# KiCad board 2000ATX.kicad_pcb (continued)
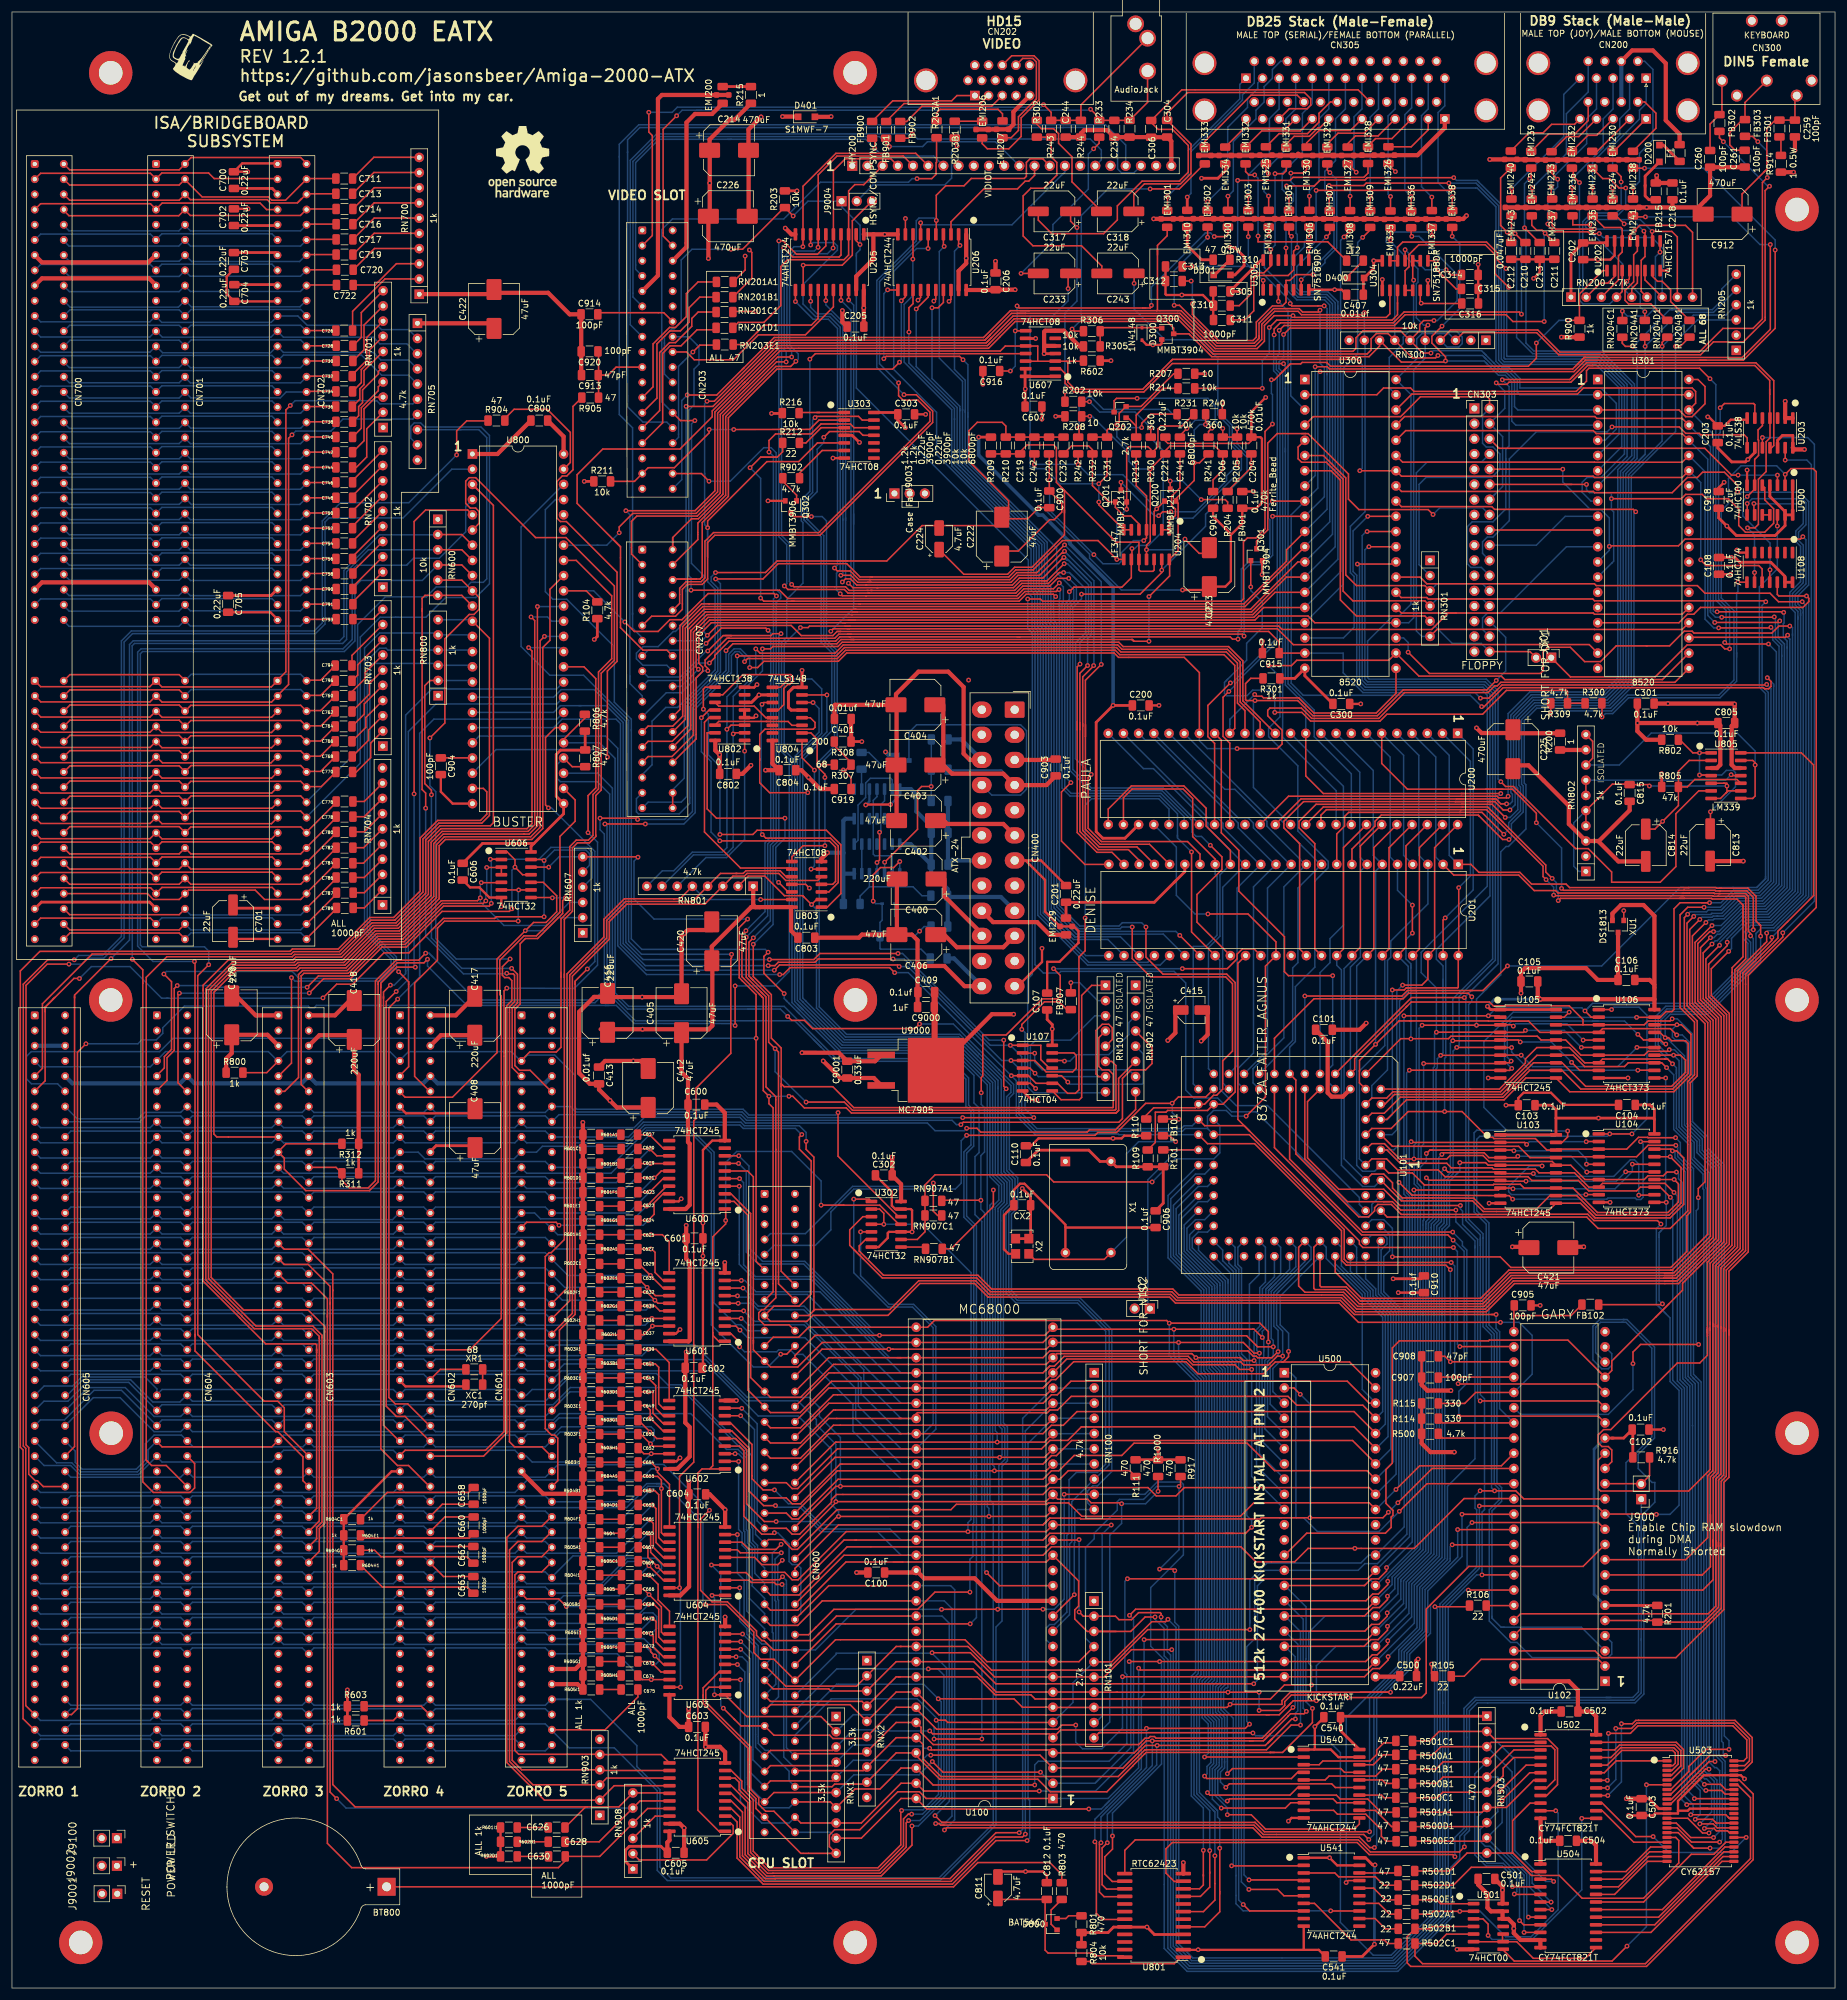
[diagram p0: board, top side]
## Nets (continued)
+5V: C100.1 C101.1 C102.1 C103.1 C104.1 C105.1 C106.1 C107.1 C108.2 C110.1 C202.2 C203.2 C218.1 C300.2 C301.1 C302.2 C303.1 C305.1 C400.1 C401.1 C402.1 C403.1 C404.1 C405.1 C415.1 C416.1 C417.1 C418.1 C419.1 C420.1 C421.1 C422.1 C500.1 C501.1 C502.1 C503.1 C504.1 C540.1 C541.1 C600.1 C601.1 C602.1 C603.1 C604.1 C605.2 C606.1 C607.2 C700.1 C701.1 C705.1 C800.1 C802.1 C803.1 C804.1 C805.1 C903.1 C906.1 C910.1 C918.1 CN203.6 CN203.8 CN400.4 CN400.6 CN400.21 CN400.22 CN400.23 CN600.5 CN600.6 CN601.5 CN601.6 CN602.5 CN602.6 CN603.5 CN603.6 CN604.5 CN604.6 CN605.5 CN605.6 CN700.B3 CN700.B29 CN700.D16 CN701.B3 CN701.B29 CN701.D16 CN702.B3 CN702.B29 CN702.D16 D301.2 EMI200.1 EMI229.1 FB215.1 Q302.2 R101.2 R104.1 R109.2 R111.1 R114.2 R115.2 R200.1 R201.1 R203.2 R211.1 R216.1 R301.1 R308.1 R311.1 R312.1 R500.1 R601.1 R602.1 R603.1 R800.1 R801.1 R802.2 R804.1 R805.1 R806.2 R807.2 R914.1 R916.2 R917.1 R1000.1 R9102.1 RN100.1 RN101.1 RN200.1 RN300.1 RN301.1 RN503.1 RN600.1 RN705.1 RN800.1 RN801.1 RN802.2 RN802.9 RN903.1 RN908.1 U100.14 U100.49 U101.15 U102.6 U102.17 U102.48 U103.1 U103.20 U104.20 U105.1 U105.20 U106.20 U107.14 U108.13 U108.14 U202.16 U203.9 U203.12 U203.14 U300.20 U301.20 U302.14 U303.4 U303.14 U305.14 U500.22 U500.32 U501.14 U502.24 U503.11 U504.24 U540.20 U541.20 U600.20 U601.20 U602.20 U603.20 U604.20 U605.20 U606.14 U607.1 U607.9 U607.13 U607.14 U800.25 U800.48 U801.4 U801.20 U802.6 U802.16 U803.14 U804.10 U804.16 U805.3 U900.1 U900.4 U900.13 U900.14 X1.14 XU1.2
+12V: C406.1 C407.1 C704.1 CN203.10 CN400.10 CN400.11 CN600.10 CN601.10 CN602.10 CN603.10 CN604.10 CN605.10 CN700.B9 CN701.B9 CN702.B9 D400.2 J9003.2 R207.1 U304.14
-5V: C412.2 C413.1 C702.1 C9001.1 CN203.31 CN600.8 CN601.8 CN602.8 CN603.8 CN604.8 CN605.8 CN700.B5 CN701.B5 CN702.B5 U9000.3
-12V: C408.1 C409.1 C703.1 C9000.1 CN400.14 CN601.20 CN602.20 CN603.20 CN604.20 CN605.20 CN700.B7 CN701.B7 CN702.B7 D401.1 R208.2 U304.1 U9000.2
/Paula/+5VMOUSE: CN200.7 CN200.16 F1.2
/Power/+5VSB: C9101.1 C9102.1 CN400.9 R9100.1 R9103.1 U9101.14 U9102.10 U9102.14
GND: BT800.2 C100.2 C101.2 C102.2 C103.2 C104.2 C105.2 C106.2 C107.2 C108.1 C110.2 C200.2 C201.2 C202.1 C203.1 C205.1 C206.1 C214.2 C218.2 C225.2 C226.2 C234.2 C244.2 C259.2 C260.2 C261.2 C300.1 C301.2 C302.1 C303.2 C304.2 C305.2 C306.2 C310.2 C311.2 C312.2 C313.2 C314.1 C315.1 C316.1 C400.2 C401.2 C402.2 C403.2 C404.2 C405.2 C406.2 C407.2 C408.2 C409.2 C412.1 C413.2 C415.2 C416.2 C417.2 C418.2 C419.2 C420.2 C421.2 C422.2 C500.2 C501.2 C502.2 C503.2 C504.2 C540.2 C541.2 C600.2 C601.2 C602.2 C603.2 C604.2 C605.1 C606.2 C607.1 C700.2 C701.2 C702.2 C703.2 C704.2 C705.2 C800.2 C802.2 C803.2 C804.2 C805.2 C811.2 C812.2 C813.2 C814.2 C815.2 C903.2 C904.2 C905.2 C906.2 C907.2 C908.2 C910.2 C912.2 C913.2 C914.1 C915.2 C916.2 C918.2 C919.2 C920.2 C9000.2 C9001.2 C9101.2 C9102.2 C9103.2 C9104.2 C9105.2 CN200.0 CN200.8 CN200.17 CN202.0 CN202.5 CN202.6 CN202.7 CN202.8 CN202.10 CN203.9 CN203.12 CN203.13 CN203.17 CN203.20 CN203.21 CN203.24 CN203.32 CN207.1 CN207.5 CN207.9 CN207.12 CN207.22 CN207.32 CN300.0 CN300.4 CN303.1 CN303.5 CN303.7 CN303.9 CN303.11 CN303.13 CN303.15 CN303.17 CN303.19 CN303.21 CN303.23 CN303.25 CN303.27 CN303.29 CN303.31 CN303.33 CN305.0 CN305.17 CN305.18 CN305.19 CN305.20 CN305.21 CN305.22 CN305.23 CN305.24 CN305.25 CN305.26 CN305.32 CN400.3 CN400.5 CN400.7 CN400.15 CN400.17 CN400.18 CN400.19 CN400.24 CN600.1 CN600.2 CN600.3 CN600.4 CN600.12 CN600.13 CN600.25 CN600.37 CN600.49 CN600.61 CN600.73 CN600.85 CN601.1 CN601.2 CN601.3 CN601.4 CN601.13 CN601.25 CN601.37 CN601.49 CN601.61 CN601.73 CN601.85 CN601.87 CN601.88 CN601.89 CN601.90 CN601.91 CN601.99 CN601.100 CN602.1 CN602.2 CN602.3 CN602.4 CN602.13 CN602.25 CN602.37 CN602.49 CN602.61 CN602.73 CN602.85 CN602.87 CN602.88 CN602.89 CN602.90 CN602.91 CN602.99 CN602.100 CN603.1 CN603.2 CN603.3 CN603.4 CN603.13 CN603.25 CN603.37 CN603.49 CN603.61 CN603.73 CN603.85 CN603.87 CN603.88 CN603.89 CN603.90 CN603.91 CN603.99 CN603.100 CN604.1 CN604.2 CN604.3 CN604.4 CN604.13 CN604.25 CN604.37 CN604.49 CN604.61 CN604.73 CN604.85 CN604.87 CN604.88 CN604.89 CN604.90 CN604.91 CN604.99 CN604.100 CN605.1 CN605.2 CN605.3 CN605.4 CN605.13 CN605.25 CN605.37 CN605.49 CN605.61 CN605.73 CN605.85 CN605.87 CN605.88 CN605.89 CN605.90 CN605.91 CN605.99 CN605.100 CN700.B1 CN700.B10 CN700.B31 CN700.D18 CN701.B1 CN701.B10 CN701.B31 CN701.D18 CN702.B1 CN702.B10 CN702.B31 CN702.D18 CX2.2 D300.2 EMI200.3 EMI206.3 EMI207.3 EMI229.3 EMI230.3 EMI231.3 EMI232.3 EMI233.3 EMI234.3 EMI235.3 EMI236.3 EMI237.3 EMI238.3 EMI239.3 EMI240.3 EMI241.3 EMI242.3 EMI243.3 EMI300.3 EMI301.3 EMI302.3 EMI303.3 EMI304.3 EMI305.3 EMI306.3 EMI307.3 EMI308.3 EMI309.3 EMI310.3 EMI325.3 EMI326.3 EMI327.3 EMI328.3 EMI329.3 EMI330.3 EMI331.3 EMI332.3 EMI333.3 EMI334.3 EMI335.3 EMI336.3 EMI337.3 EMI338.3 FB401.1 H1.1 H2.1 H3.1 H4.1 H5.1 H6.1 H7.1 H9.1 H10.1 H11.1 H12.1 HY200.1 HY200.22 J102.2 J9001.2 J9002.2 J9003.1 J9100.2 Q300.2 Q301.2 Q9100.2 R110.1 R234.1 R244.1 R305.2 R601A1.1 R601B1.1 R601C1.1 R601D1.1 R601E1.1 R601F1.1 R601G1.1 R601H1.1 R601I1.1 R602A1.1 R602B1.1 R602C1.1 R602D1.1 R602E1.1 R602F1.1 R602G1.1 R602H1.1 R602I1.1 R603A1.1 R603B1.1 R603C1.1 R603D1.1 R603E1.1 R603F1.1 R603G1.1 R603H1.1 R603I1.1 R604.1 R604A1.1 R604B1.1 R604C1.1 R604D1.1 R604E1.1 R604F1.1 R604G1.1 R604H1.1 R604I1.1 R605.1 R605A1.1 R605B1.1 R605C1.1 R605D1.1 R605E1.1 R605F1.1 R605G1.1 R605H1.1 R605I1.1 R900.1 R9105.2 RN205.1 RN607.1 RN700.1 RN701.1 RN702.1 RN703.1 RN704.1 RN802.3 RNX1.1 RNX2.1 U100.16 U100.53 U101.42 U101.58 U101.82 U102.1 U102.24 U102.40 U103.10 U104.10 U105.10 U106.10 U107.7 U108.7 U200.8 U201.37 U202.8 U202.15 U203.1 U203.2 U203.7 U205.1 U205.10 U205.19 U206.1 U206.10 U206.19 U300.1 U301.1 U302.7 U302.10 U302.13 U303.7 U304.7 U305.7 U500.11 U500.12 U500.31 U501.7 U501.12 U501.13 U502.1 U502.12 U503.12 U503.34 U503.41 U504.1 U504.11 U504.12 U540.1 U540.10 U540.19 U541.1 U541.10 U541.19 U600.10 U600.19 U601.10 U601.19 U602.10 U602.19 U603.10 U604.10 U605.10 U605.19 U606.7 U607.4 U607.5 U607.7 U800.1 U800.24 U800.43 U801.2 U801.12 U802.4 U802.5 U802.8 U803.7 U804.5 U804.8 U805.12 U900.7 U9000.1 U9101.7 U9102.7 X1.7 X2.2 XC1.2 XU1.3
V7M: CN600.7 RN907C1.1
7M: RN907A1.1 U100.15 U201.35
28M: CN600.9 FB101.2 U101.34
+AUD: C200.1 C225.1 R200.2 R209.1 U200.27
+AV: C220.1 C222.1 C900.1 Q202.2 R207.2 R213.1 U204.4
+VID: C205.2 C206.2 C214.1 C226.1 HY200.2 HY200.21 R215.1 U205.20 U206.20
-AV: C221.2 C223.2 C901.2 R206.2 R208.1 U204.11
/Floppy and Parallel/_CHNG: CN303.2 RN301.2 U300.4
/Floppy and Parallel/_DKWDB: CN303.22 U203.8
/Floppy and Parallel/_DKWEB: CN303.24 U203.11
/Floppy and Parallel/_INUSE0: CN303.6 U900.3
/Floppy and Parallel/_INUSE1: CN303.4 CN303.14 U108.9 U203.4
/Floppy and Parallel/_IORST: C916.1 EMI300.2 U607.8
/Floppy and Parallel/_KBDATA: C261.1 CN300.2 FB303.1
/Floppy and Parallel/_MTROD: CN303.16 Q301.3
/Floppy and Parallel/_RDY: CN303.34 J301.2 RN301.5 U300.7
/Floppy and Parallel/_TRK0: CN303.26 RN301.3 U300.6
/Floppy and Parallel/_WPROT: CN303.28 RN301.4 U300.5
/Memory and Kickstart/_DRAS1: U502.14 U503.18
/Memory and Kickstart/_MCASL: R502C1.1 U501.5 U503.39
/Memory and Kickstart/_MCASU: R502B1.1 U501.4 U503.40
/Memory and Kickstart/_MRAS0: R500E1.1 U501.1
/Memory and Kickstart/_MRAS1: R502A1.1 U501.2 U502.11
/Memory and Kickstart/_MWE: R502D1.1 U503.17
/Memory and Kickstart/_SRAMCE: U501.8 U503.6
/Memory and Kickstart/CAS: U501.6 U501.9 U501.10 U504.13
/Memory and Kickstart/DRAB0: R500A1.1 RN503.3 U502.2 U504.6
/Memory and Kickstart/DRAB1: R500B1.1 RN503.5 U502.3 U504.7
/Memory and Kickstart/DRAB2: R500C1.1 RN503.6 U502.4 U504.8
/Memory and Kickstart/DRAB3: R500D1.1 RN503.8 U502.5 U504.9
/Memory and Kickstart/DRAB4: R500E2.1 RN503.9 U502.6 U504.10
/Memory and Kickstart/DRAB5: R501A1.1 RN503.7 U502.7 U504.5
/Memory and Kickstart/DRAB6: R501B1.1 RN503.4 U502.8 U504.4
/Memory and Kickstart/DRAB7: R501C1.1 RN503.2 U502.9 U504.3
/Memory and Kickstart/DRAB8: R501D1.1 RN503.10 U502.10 U504.2
/Memory and Kickstart/DRAC0: U502.23 U503.5
/Memory and Kickstart/DRAC1: U502.22 U503.4
/Memory and Kickstart/DRAC2: U502.21 U503.3
/Memory and Kickstart/DRAC3: U502.20 U503.2
/Memory and Kickstart/DRAC4: U502.19 U503.1
/Memory and Kickstart/DRAC5: U502.18 U503.44
/Memory and Kickstart/DRAC6: U502.17 U503.43
/Memory and Kickstart/DRAC7: U502.16 U503.42
/Memory and Kickstart/DRAC8: U502.15 U503.28
/Memory and Kickstart/DRAD0: U503.27 U504.19
/Memory and Kickstart/DRAD1: U503.26 U504.18
/Memory and Kickstart/DRAD2: U503.25 U504.17
/Memory and Kickstart/DRAD3: U503.24 U504.16
/Memory and Kickstart/DRAD4: U503.23 U504.15
/Memory and Kickstart/DRAD5: U503.22 U504.20
/Memory and Kickstart/DRAD6: U503.21 U504.21
/Memory and Kickstart/DRAD7: U503.20 U504.22
/Memory and Kickstart/DRAD8: U503.19 U504.23
/Memory and Kickstart/RAS: U501.3 U502.13
/Paula/FIR0: CN200.6 EMI241.1
/Power/_PS-ON: CN400.16 Q9100.3
/Serial/CD: U301.7 U305.11
/Serial/CTS: U301.6 U305.6
/Serial/DSR: U301.5 U305.8
/Serial/DTR: U301.9 U304.12 U304.13
/Serial/RESET: C814.1 J9001.1 R805.2 U805.2 U805.10 XU1.1
/Serial/RTS: U301.8 U304.4 U304.5
/Video/_COMPSYNC: C914.2 CN203.14 HY200.18 J9004.3 U205.12
/Video/BLUE: CN203.15 FB902.2 HY200.17
/Video/BURST: CN203.18 U205.16
/Video/COMPVID: CN207.13 HY200.19
/Video/GREEN: CN203.11 FB901.2 HY200.12
/Video/PIXELSW: CN203.30 RN203E1.1
/Video/RED: CN203.7 FB900.2 HY200.7
/Video/SYNC: CN203.28 HY200.20
/Zorro_Expansion/_CFGIN2: CN604.12 U606.1 U606.11
/Zorro_Expansion/_CFGIN3: CN603.12 U606.3 U606.4
/Zorro_Expansion/_CFGIN4: CN602.12 U606.6 U606.9
/Zorro_Expansion/_CFGIN5: CN601.12 U606.8
/Zorro_Expansion/_CFGOUT1: CN605.11 RN607.5 U606.13
/Zorro_Expansion/_CFGOUT2: CN604.11 RN607.4 U606.2
/Zorro_Expansion/_CFGOUT3: CN603.11 RN607.3 U606.5
/Zorro_Expansion/_CFGOUT4: CN602.11 RN607.2 U606.10
_AS: CN600.74 RN101.5 U100.6 U101.24 U102.13 U605.9
_BAS: C663.2 CN601.74 CN602.74 CN603.74 CN604.74 CN605.74 RN903.5 U605.11 U800.36
_BEER: CN600.46 CN601.46 CN602.46 CN603.46 CN604.46 CN605.46 R111.2 U100.22 U800.26
_BG: U100.11 U800.17
_BGACK: CN600.62 CN601.62 CN602.62 CN603.62 CN604.62 CN605.62 J900.1 RN100.9 U303.13
_BHS: U205.18 U301.19
_BLDS: C660.2 CN601.70 CN602.70 CN603.70 CN604.70 CN605.70 RN903.3 U605.13 U800.37
_BOSS: CN600.20 R104.2 U303.12 U800.39
_BR: RN100.10 U100.13 U800.27
_BRST: R602.2 U108.10 U300.34 U301.34 U607.3 U607.10 U607.12 U800.42
_BUDS: C662.2 CN601.72 CN602.72 CN603.72 CN604.72 CN605.72 RN903.4 U605.12 U800.38
_BUSRST: CN601.94 CN602.94 CN603.94 CN604.94 CN605.94 R603.2 U607.11
_C2: C904.1 U800.21
_C4: C913.1 C920.1 CN203.19 R905.1
_CASL: U101.54 U541.13
_CASU: U101.55 U541.8
_CBG: CN600.64 R806.1 U800.29
_CBR: CN600.60 R807.1 U800.28
_CDAC: U101.37 U102.26 U107.1 U107.11 U201.34 U800.18
_CIPL0: RN801.6 U200.13 U802.1
_CIPL1: RN801.7 U200.14 U802.2
_CIPL2: RN801.8 U200.15 U802.3
_CLKRD: U102.22 U801.11
_CLKWR: U102.23 U801.13
_COPCFG: CN600.11 CN605.12 RN607.6 U606.12
_CSYNC: U101.80 U201.32 U205.8
_CUTOFF: R214.1 U304.3
_D2P: RNX1.2 U603.1 U604.1 U800.45
_DBOE: U603.19 U604.19 U800.46
_DKRD: CN303.30 R301.2 U200.37
_DKWD: U102.9 U200.38
_DTACK: CN600.66 CN601.66 CN602.66 CN603.66 CN604.66 CN605.66 R106.1 R917.2 RN101.4 U100.10
_EBG1: CN605.64 U800.2
_EBG2: CN604.64 U800.3
_EBG3: CN603.64 U800.4
_EBG4: CN602.64 U800.5
_EBG5: CN601.64 U800.6
_EBR1: CN605.60 RN600.2 U800.7
_EBR2: CN604.60 RN600.3 U800.8
_EBR3: CN603.60 RN600.4 U800.9
_EBR4: CN602.60 RN600.5 U800.10
_EBR5: CN601.60 RN600.6 U800.11
_EC1: CN601.16 CN602.16 CN603.16 CN604.16 CN605.16 RN902.4
_EC3: CN601.14 CN602.14 CN603.14 CN604.14 CN605.14 FB907.1
_EINT1: C675.2 CN601.96 CN602.96 CN603.96 CN604.96 CN605.96 RN801.2 U803.2
_EINT4: CN601.44 CN602.44 CN603.44 CN604.44 CN605.44 RN801.3 U803.5
_EINT5: CN601.42 CN602.42 CN603.42 CN604.42 CN605.42 RN801.4 U803.10
_EINT7: CN601.40 CN602.40 CN603.40 CN604.40 CN605.40 RN801.5 U803.13
_EXRAM: R500.2 U102.32
_FIR0: EMI241.2 U300.8
_FIR1: CN207.19 EMI238.2 U101.78 U300.9
_GBG: CN601.95 CN602.95 CN603.95 CN604.95 CN605.95 U800.23
_HLT: CN600.55 CN601.55 CN602.55 CN603.55 CN604.55 CN605.55 RN101.3 U100.17 U102.42
_HSYNC: CN203.22 J9004.1 R203.1 U101.81 U205.2
_INDEX: CN303.8 RN301.6 U301.24
_INT2: CN600.19 CN601.19 CN602.19 CN603.19 CN604.19 CN605.19 R312.2 U200.16 U300.21
_INT3: U101.17 U200.17
_INT6: CN600.22 CN601.22 CN602.22 CN603.22 CN604.22 CN605.22 R311.2 U200.18 U301.21
_IPL0: CN600.40 RN100.5 U100.25 U804.9
_IPL1: CN600.42 RN100.6 U100.24 U804.7
_IPL2: CN600.44 RN100.7 U100.23 U804.6
_KBCLK: FB302.2 RN300.3 U300.40 U805.6
_KBRST: R201.2 U102.5 U805.14
_LATCH: FB102.1 U104.11 U106.11
_LDS: CN600.70 RN101.7 U100.8 U101.52 U102.10 U605.7
_LED: CN207.31 U300.3 U303.5 U304.2
_MC1: R900.2 RN102.8 U202.1
_MTR: U102.7 U108.12 U301.17
_OEB: U102.4 U103.19 U105.19
_OEL: U102.3 U104.1 U106.1
_OVR: CN600.17 CN601.17 CN602.17 CN603.17 CN604.17 CN605.17 R115.1 U102.29 U800.40
_OWN: CN601.7 CN602.7 CN603.7 CN604.7 CN605.7 R800.2 U302.12 U800.41
_PACK: CN207.20 EMI335.1 RN300.5 U300.24
_RAS0: U101.57 U541.4
_RAS1: U101.56 U541.6
_ROMEN: U102.21 U500.13 U900.9
_RST: CN600.53 CN601.53 CN602.53 CN603.53 CN604.53 CN605.53 RN101.2 U100.18 U101.16 U102.41 U200.11 U607.2
_RxD: U200.41 U305.3
_SEL0: CN303.10 U102.16 U301.13
_SEL1: CN303.12 U301.14 U900.5
_SIDE: CN303.32 U301.12
_SLAVE1: CN605.9 RN800.6 U800.12
_SLAVE2: CN604.9 RN800.5 U800.13
_SLAVE3: CN603.9 RN800.4 U800.14
_SLAVE4: CN602.9 RN800.3 U800.15
_SLAVE5: CN601.9 RN800.2 U800.16
_STEP: CN303.20 U301.10
_TxD: U200.40 U304.9 U304.10
_UDS: CN600.72 RN101.8 U100.7 U101.53 U102.11 U605.8
_VC1: CN203.34 CN600.16 RN102.6
_VC3: CN207.17 CN600.14 RN102.4
_VMA: CN600.51 CN601.51 CN602.51 CN603.51 CN604.51 CN605.51 RN101.9 U100.19 U302.2 U302.4
_VPA: CN600.48 CN601.48 CN602.48 CN603.48 CN604.48 CN605.48 R105.1 R1000.2 RN101.10 U100.21
_VSYNC: C915.1 CN203.26 CN207.14 R203A1.2 U101.79 U300.19
_WE: U101.21 U541.17
_XCLKEN: CN203.16 R109.1 U101.36
A1: CN600.29 U100.29 U101.60 U500.10 U600.2
A2: CN600.27 U100.30 U101.61 U500.9 U600.3 U801.5
A3: CN600.26 U100.31 U101.62 U500.8 U600.5 U801.7
A4: CN600.24 U100.32 U101.63 U500.7 U600.7 U801.9
A5: CN600.21 U100.33 U101.64 U500.6 U600.8 U801.10
A6: CN600.23 U100.34 U101.65 U500.5 U600.6
A7: CN600.28 U100.35 U101.66 U500.4 U600.4
A8: CN600.30 U100.36 U101.67 U300.38 U301.38 U500.3 U601.9
A9: CN600.32 U100.37 U101.68 U300.37 U301.37 U500.41 U601.8
A10: CN600.34 U100.38 U101.69 U300.36 U301.36 U500.40 U601.7
A11: CN600.36 U100.39 U101.70 U300.35 U301.35 U500.39 U601.6
A12: CN600.38 U100.40 U101.71 U302.1 U500.38 U601.5
A13: CN600.39 U100.41 U101.72 U302.5 U500.37 U601.4
A14: CN600.41 U100.42 U101.73 U500.36 U601.3
A15: CN600.43 U100.43 U101.74 U500.35 U601.2
A16: CN600.45 U100.44 U101.75 U500.34 U602.9
A17: CN600.47 U100.45 U101.76 U102.33 U500.33 U602.8
A18: CN600.52 U100.46 U101.77 U102.34 U500.2 U602.7
A19: CN600.54 U100.47 U101.59 U102.35 U500.1 U602.6
A20: CN600.56 U100.48 U102.36 U500.42 U602.5
A21: CN600.58 U100.50 U102.37 U602.4
A22: CN600.57 U100.51 U102.38 U602.3
A23: CN600.59 U100.52 U102.39 U602.2
AUDIN: C317.1 R202.1
AUDIO: C204.2 C210.2 C211.2 C212.2 C213.2 C219.2 C220.2 C221.1 C222.2 C223.1 C224.2 C232.2 C242.2 C900.2 C901.1 CN205.S CN207.34 CN207.36 FB401.2 R210.2 U200.34
AUDOUT: C243.2 R243.2 R302.1
B0: HY200.16 RN201A1.1 U206.9
B1: CN207.10 HY200.15 U206.7
B2: CN207.11 HY200.14 U206.5
B3: HY200.13 RN201B1.1 U206.3
BA1: C624.2 CN601.29 CN602.29 CN603.29 CN604.29 CN605.29 U600.18
BA2: C622.2 CN601.27 CN602.27 CN603.27 CN604.27 CN605.27 U600.17
BA3: C621.2 CN601.26 CN602.26 CN603.26 CN604.26 CN605.26 U600.15
BA4: C620.2 CN601.24 CN602.24 CN603.24 CN604.24 CN605.24 U600.13
BA5: C617.2 CN601.21 CN602.21 CN603.21 CN604.21 CN605.21 U600.12
BA6: C619.2 CN601.23 CN602.23 CN603.23 CN604.23 CN605.23 U600.14
BA7: C623.2 CN601.28 CN602.28 CN603.28 CN604.28 CN605.28 U600.16
BA8: C625.2 CN601.30 CN602.30 CN603.30 CN604.30 CN605.30 U601.11
BA9: C627.2 CN601.32 CN602.32 CN603.32 CN604.32 CN605.32 U601.12
BA10: C629.2 CN601.34 CN602.34 CN603.34 CN604.34 CN605.34 U601.13
BA11: C631.2 CN601.36 CN602.36 CN603.36 CN604.36 CN605.36 U601.14
BA12: C632.2 CN601.38 CN602.38 CN603.38 CN604.38 CN605.38 U601.15
BA13: C633.2 CN601.39 CN602.39 CN603.39 CN604.39 CN605.39 U601.16
BA14: C635.2 CN601.41 CN602.41 CN603.41 CN604.41 CN605.41 U601.17
BA15: C637.2 CN601.43 CN602.43 CN603.43 CN604.43 CN605.43 U601.18
BA16: C639.2 CN601.45 CN602.45 CN603.45 CN604.45 CN605.45 U602.11
BA17: C641.2 CN601.47 CN602.47 CN603.47 CN604.47 CN605.47 U602.12
BA18: C645.2 CN601.52 CN602.52 CN603.52 CN604.52 CN605.52 U602.13
BA19: C647.2 CN601.54 CN602.54 CN603.54 CN604.54 CN605.54 U602.14 U800.30
BA20: C649.2 CN601.56 CN602.56 CN603.56 CN604.56 CN605.56 U602.15 U800.31
BA21: C651.2 CN601.58 CN602.58 CN603.58 CN604.58 CN605.58 U602.16 U800.32
BA22: C650.2 CN601.57 CN602.57 CN603.57 CN604.57 CN605.57 U602.17 U800.33
BA23: C652.2 CN601.59 CN602.59 CN603.59 CN604.59 CN605.59 U602.18 U800.34
BD0: C664.2 CN601.75 CN602.75 CN603.75 CN604.75 CN605.75 U603.11
BD1: C666.2 CN601.77 CN602.77 CN603.77 CN604.77 CN605.77 U603.12
BD2: C668.2 CN601.79 CN602.79 CN603.79 CN604.79 CN605.79 U603.13
BD3: C670.2 CN601.81 CN602.81 CN603.81 CN604.81 CN605.81 U603.14
BD4: C672.2 CN601.83 CN602.83 CN603.83 CN604.83 CN605.83 U603.16
BD5: C674.2 CN601.86 CN602.86 CN603.86 CN604.86 CN605.86 U603.18
BD6: C673.2 CN601.84 CN602.84 CN603.84 CN604.84 CN605.84 U603.17
BD7: C671.2 CN601.82 CN602.82 CN603.82 CN604.82 CN605.82 U603.15
BD8: C669.2 CN601.80 CN602.80 CN603.80 CN604.80 CN605.80 U604.18
BD9: C667.2 CN601.78 CN602.78 CN603.78 CN604.78 CN605.78 U604.17
BD10: C665.2 CN601.76 CN602.76 CN603.76 CN604.76 CN605.76 U604.16
BD11: C661.2 CN601.71 CN602.71 CN603.71 CN604.71 CN605.71 U604.15
BD12: C659.2 CN601.69 CN602.69 CN603.69 CN604.69 CN605.69 U604.14
BD13: C657.2 CN601.67 CN602.67 CN603.67 CN604.67 CN605.67 U604.13
BD14: C655.2 CN601.65 CN602.65 CN603.65 CN604.65 CN605.65 U604.12
BD15: C654.2 CN601.63 CN602.63 CN603.63 CN604.63 CN605.63 U604.11
BFC0: C626.2 CN601.31 CN602.31 CN603.31 CN604.31 CN605.31 RN908.6 U605.15
BFC1: C628.2 CN601.33 CN602.33 CN603.33 CN604.33 CN605.33 RN908.5 U605.16
BFC2: C630.2 CN601.35 CN602.35 CN603.35 CN604.35 CN605.35 RN908.4 U605.17
C1: C907.1 U101.40 U102.28 U107.3 U107.13 U200.28 U201.36 U800.19
C3: C908.1 U101.39 U102.27 U107.5 U107.9 U200.29 U800.20
D0: CN600.75 RNX1.3 U100.5 U105.2 U106.2 U300.33 U500.14 U603.9 U801.19
D1: CN600.77 RNX1.4 U100.4 U105.3 U106.5 U300.32 U500.16 U603.8 U801.16
D2: CN600.79 RNX1.5 U100.3 U105.4 U106.6 U300.31 U500.18 U603.7 U801.15
D3: CN600.81 RNX1.6 U100.2 U105.5 U106.9 U300.30 U500.20 U603.6 U801.14
D4: CN600.83 RNX1.10 U100.1 U105.6 U106.12 U300.29 U500.23 U603.4
D5: CN600.86 RNX1.9 U100.64 U105.7 U106.15 U300.28 U500.25 U603.2
D6: CN600.84 RNX1.8 U100.63 U105.8 U106.16 U300.27 U500.27 U603.3
D7: CN600.82 RNX1.7 U100.62 U105.9 U106.19 U300.26 U500.29 U603.5
D8: CN600.80 RNX2.9 U100.61 U103.2 U104.2 U301.33 U500.15 U604.2
D9: CN600.78 RNX2.8 U100.60 U103.3 U104.5 U301.32 U500.17 U604.3
D10: CN600.76 RNX2.7 U100.59 U103.4 U104.6 U301.31 U500.19 U604.4
D11: CN600.71 RNX2.6 U100.58 U103.5 U104.9 U301.30 U500.21 U604.5
D12: CN600.69 RNX2.5 U100.57 U103.6 U104.12 U301.29 U500.24 U604.6
D13: CN600.67 RNX2.4 U100.56 U103.7 U104.15 U301.28 U500.26 U604.7
D14: CN600.65 RNX2.3 U100.55 U103.8 U104.16 U301.27 U500.28 U604.8
D15: CN600.63 RNX2.2 U100.54 U103.9 U104.19 U301.26 U500.30 U604.9
DIR: CN303.18 U301.11
DKWE: U102.8 U200.39
DMAL: U101.18 U200.12
DMAOUT: U302.11 U600.1 U601.1 U602.1 U605.1
DOE: CN601.93 CN602.93 CN603.93 CN604.93 CN605.93 R601.2 R904.1
DRA0: U101.43 U540.2
DRA1: U101.44 U540.4
DRA2: U101.45 U540.6
DRA3: U101.46 U540.8
DRA4: U101.47 U540.11
DRA5: U101.48 U540.13
DRA6: U101.49 U540.15
DRA7: U101.50 U540.17
DRA8: U101.51 U541.2
DRD0: U101.14 U105.18 U106.3 U200.10 U201.7 U503.7
DRD1: U101.13 U105.17 U106.4 U200.9 U201.6 U503.8
DRD2: U101.12 U105.16 U106.7 U200.7 U201.5 U503.9
DRD3: U101.11 U105.15 U106.8 U200.6 U201.4 U503.10
DRD4: U101.10 U105.14 U106.13 U200.5 U201.3 U503.13
DRD5: U101.9 U105.13 U106.14 U200.4 U201.2 U503.14
DRD6: U101.8 U105.12 U106.17 U200.3 U201.1 U503.15
DRD7: U101.7 U105.11 U106.18 U200.2 U201.48 U503.16
DRD8: U101.6 U103.18 U104.3 U200.1 U201.47 U503.29
DRD9: U101.5 U103.17 U104.4 U200.48 U201.46 U503.30
DRD10: U101.4 U103.16 U104.7 U200.47 U201.45 U503.31
DRD11: U101.3 U103.15 U104.8 U200.46 U201.44 U503.32
DRD12: U101.2 U103.14 U104.13 U200.45 U201.43 U503.35
DRD13: U101.1 U103.13 U104.14 U200.44 U201.42 U503.36
DRD14: U101.84 U103.12 U104.17 U200.43 U201.41 U503.37
DRD15: U101.83 U103.11 U104.18 U200.42 U201.40 U503.38
E: CN600.50 CN601.50 CN602.50 CN603.50 CN604.50 CN605.50 U100.20 U300.25 U301.25 XR1.1
E7M: CN601.92 CN602.92 CN603.92 CN604.92 CN605.92 RN907B1.1
ECDAC: CN601.15 CN602.15 CN603.15 CN604.15 CN605.15 RN902.8
FC0: CN600.31 RN100.2 U100.28 U605.5
FC1: CN600.33 RN100.3 U100.27 U605.4
FC2: CN600.35 RN100.4 U100.26 U605.3
FLTLEFT: C244.1 CN203.3 CN205.T R243.1 R244.2
FLTRIGHT: C234.1 CN203.4 CN205.R R233.1 R234.2
G0: CN207.6 HY200.11 U206.12
G1: CN207.7 HY200.10 U206.14
G2: CN207.8 HY200.9 U206.16
G3: HY200.8 RN201C1.1 U206.18
M0H: RN204D1.2 RN205.4 U201.9
M0V: RN204C1.2 RN205.6 U201.38
M1H: RN204B1.2 RN205.3 U201.8
M1V: RN204A1.2 RN205.5 U201.39
OVL: U102.30 U300.2
PBUSY: CN207.18 EMI336.1 RN300.6 U301.2 U301.39
PPD0: CN207.23 EMI302.1 U300.10
PPD1: CN207.24 EMI303.1 U300.11
PPD2: CN207.25 EMI304.1 U300.12
PPD3: CN207.26 EMI305.1 U300.13
PPD4: CN207.27 EMI306.1 U300.14
PPD5: CN207.28 EMI307.1 U300.15
PPD6: CN207.29 EMI308.1 U300.16
PPD7: CN207.30 EMI309.1 U300.17
PPOUT: CN207.16 EMI337.1 RN300.7 U301.3 U301.40
PSEL: CN207.21 EMI338.1 Q300.3 RN300.8 U301.4
PSTROBE: CN203.36 EMI301.1 RN300.9 U300.18
R0: CN207.2 HY200.6 U205.9
R1: CN207.3 HY200.5 U205.7
R2: CN207.4 HY200.4 U205.5
R3: HY200.3 RN201D1.1 U205.3
R_W: CN600.68 RN101.6 U100.9 U101.22 U102.12 U300.22 U301.22 U605.6
RAWLEFT: CN207.33 Q200.2 R240.1 R241.2 U204.14
RAWRIGHT: CN207.35 Q201.2 R230.1 R231.2 U204.8
READ: C658.2 CN601.68 CN602.68 CN603.68 CN604.68 CN605.68 RN903.2 U605.14 U800.35
RGA1: U101.33 U200.26 U201.17
RGA2: U101.32 U200.25 U201.16
RGA3: U101.31 U200.24 U201.15
RGA4: U101.30 U200.23 U201.14
RGA5: U101.29 U200.22 U201.13
RGA6: U101.28 U200.21 U201.12
RGA7: U101.27 U200.20 U201.11
RGA8: U101.26 U200.19 U201.10
VCDAC: CN207.15 CN600.15 RN902.6
Vref: C219.1 C224.1 R209.2 R210.1 U204.10 U204.12
XCLK: R110.2 R212.1 U101.35
XRDY: CN600.18 CN601.18 CN602.18 CN603.18 CN604.18 CN605.18 R114.1 U102.31
Net-(BT800-Pad1): BT800.1 R803.1
Net-(C201-Pad1): C201.1 EMI229.2 U201.19
Net-(C204-Pad1): C204.1 Q202.3 R204.1 R205.1 R206.1
Net-(C210-Pad1): C210.1 EMI243.1 U200.32
Net-(C211-Pad1): C211.1 EMI242.1 U200.33
Net-(C212-Pad1): C212.1 EMI240.2 U200.35
Net-(C213-Pad1): C213.1 EMI239.2 U200.36
Net-(C231-Pad1): C231.1 C233.1 U204.6 U204.7
Net-(C231-Pad2): C231.2 R231.1 R232.2
Net-(C232-Pad1): C232.1 Q201.1 R232.1 U204.5
Net-(C233-Pad2): C233.2 R233.2
Net-(C241-Pad1): C241.1 C243.1 U204.1 U204.2
Net-(C241-Pad2): C241.2 R241.1 R242.2
Net-(C242-Pad1): C242.1 Q200.1 R242.1 U204.3
Net-(C259-Pad1): C259.1 C912.1 CN300.5 FB301.1
Net-(C260-Pad1): C260.1 CN300.1 FB302.1
Net-(C304-Pad1): C304.1 C318.1 CN305.36
Net-(C306-Pad1): C306.1 C317.2 CN305.43
Net-(C310-Pad1): C310.1 EMI331.1 U305.13
Net-(C311-Pad1): C311.1 EMI330.1 U305.10
Net-(C312-Pad1): C312.1 EMI329.1 U305.4
Net-(C313-Pad1): C313.1 EMI328.1 U305.1
Net-(C314-Pad2): C314.2 EMI325.1 U304.11
Net-(C315-Pad2): C315.2 EMI326.1 U304.8
Net-(C316-Pad2): C316.2 EMI327.1 U304.6
Net-(C318-Pad2): C318.2 R302.2
Net-(C617-Pad1): C617.1 R601A1.2
Net-(C619-Pad1): C619.1 R601B1.2
Net-(C620-Pad1): C620.1 R601C1.2
Net-(C621-Pad1): C621.1 R601D1.2
Net-(C622-Pad1): C622.1 R601E1.2
Net-(C623-Pad1): C623.1 R601F1.2
Net-(C624-Pad1): C624.1 R601G1.2
Net-(C625-Pad1): C625.1 R601H1.2
Net-(C626-Pad1): C626.1 R601I1.2
Net-(C627-Pad1): C627.1 R602A1.2
Net-(C628-Pad1): C628.1 R602B1.2
Net-(C629-Pad1): C629.1 R602C1.2
Net-(C630-Pad1): C630.1 R602D1.2
Net-(C631-Pad1): C631.1 R602E1.2
Net-(C632-Pad1): C632.1 R602F1.2
Net-(C633-Pad1): C633.1 R602G1.2
Net-(C635-Pad1): C635.1 R602H1.2
Net-(C637-Pad1): C637.1 R602I1.2
Net-(C639-Pad1): C639.1 R603A1.2
Net-(C641-Pad1): C641.1 R603B1.2
Net-(C645-Pad1): C645.1 R603C1.2
Net-(C647-Pad1): C647.1 R603D1.2
Net-(C649-Pad1): C649.1 R603E1.2
Net-(C650-Pad1): C650.1 R603F1.2
Net-(C651-Pad1): C651.1 R603G1.2
Net-(C652-Pad1): C652.1 R603H1.2
Net-(C654-Pad1): C654.1 R603I1.2
Net-(C655-Pad1): C655.1 R604A1.2
Net-(C657-Pad1): C657.1 R604B1.2
Net-(C658-Pad1): C658.1 R604C1.2
Net-(C659-Pad1): C659.1 R604D1.2
Net-(C660-Pad1): C660.1 R604E1.2
Net-(C661-Pad1): C661.1 R604F1.2
Net-(C662-Pad1): C662.1 R604G1.2
Net-(C663-Pad1): C663.1 R604H1.2
Net-(C664-Pad1): C664.1 R604I1.2
Net-(C665-Pad1): C665.1 R604.2
Net-(C666-Pad1): C666.1 R605.2
Net-(C667-Pad1): C667.1 R605A1.2
Net-(C668-Pad1): C668.1 R605B1.2
Net-(C669-Pad1): C669.1 R605C1.2
Net-(C670-Pad1): C670.1 R605D1.2
Net-(C671-Pad1): C671.1 R605E1.2
Net-(C672-Pad1): C672.1 R605F1.2
Net-(C673-Pad1): C673.1 R605G1.2
Net-(C674-Pad1): C674.1 R605H1.2
Net-(C675-Pad1): C675.1 R605I1.2
Net-(C711-Pad1): C711.1 RN700.10
Net-(C711-Pad2): C711.2 CN700.A2 CN701.A2 CN702.A2
Net-(C713-Pad1): C713.1 RN700.9
Net-(C713-Pad2): C713.2 CN700.A3 CN701.A3 CN702.A3
Net-(C714-Pad1): C714.1 RN700.8